# Allegro board RK3588S_Template_LP4XD556P164SD10H2_33X33_2133MHz_H1R6_V10_20220315YWQ.brd (continued)
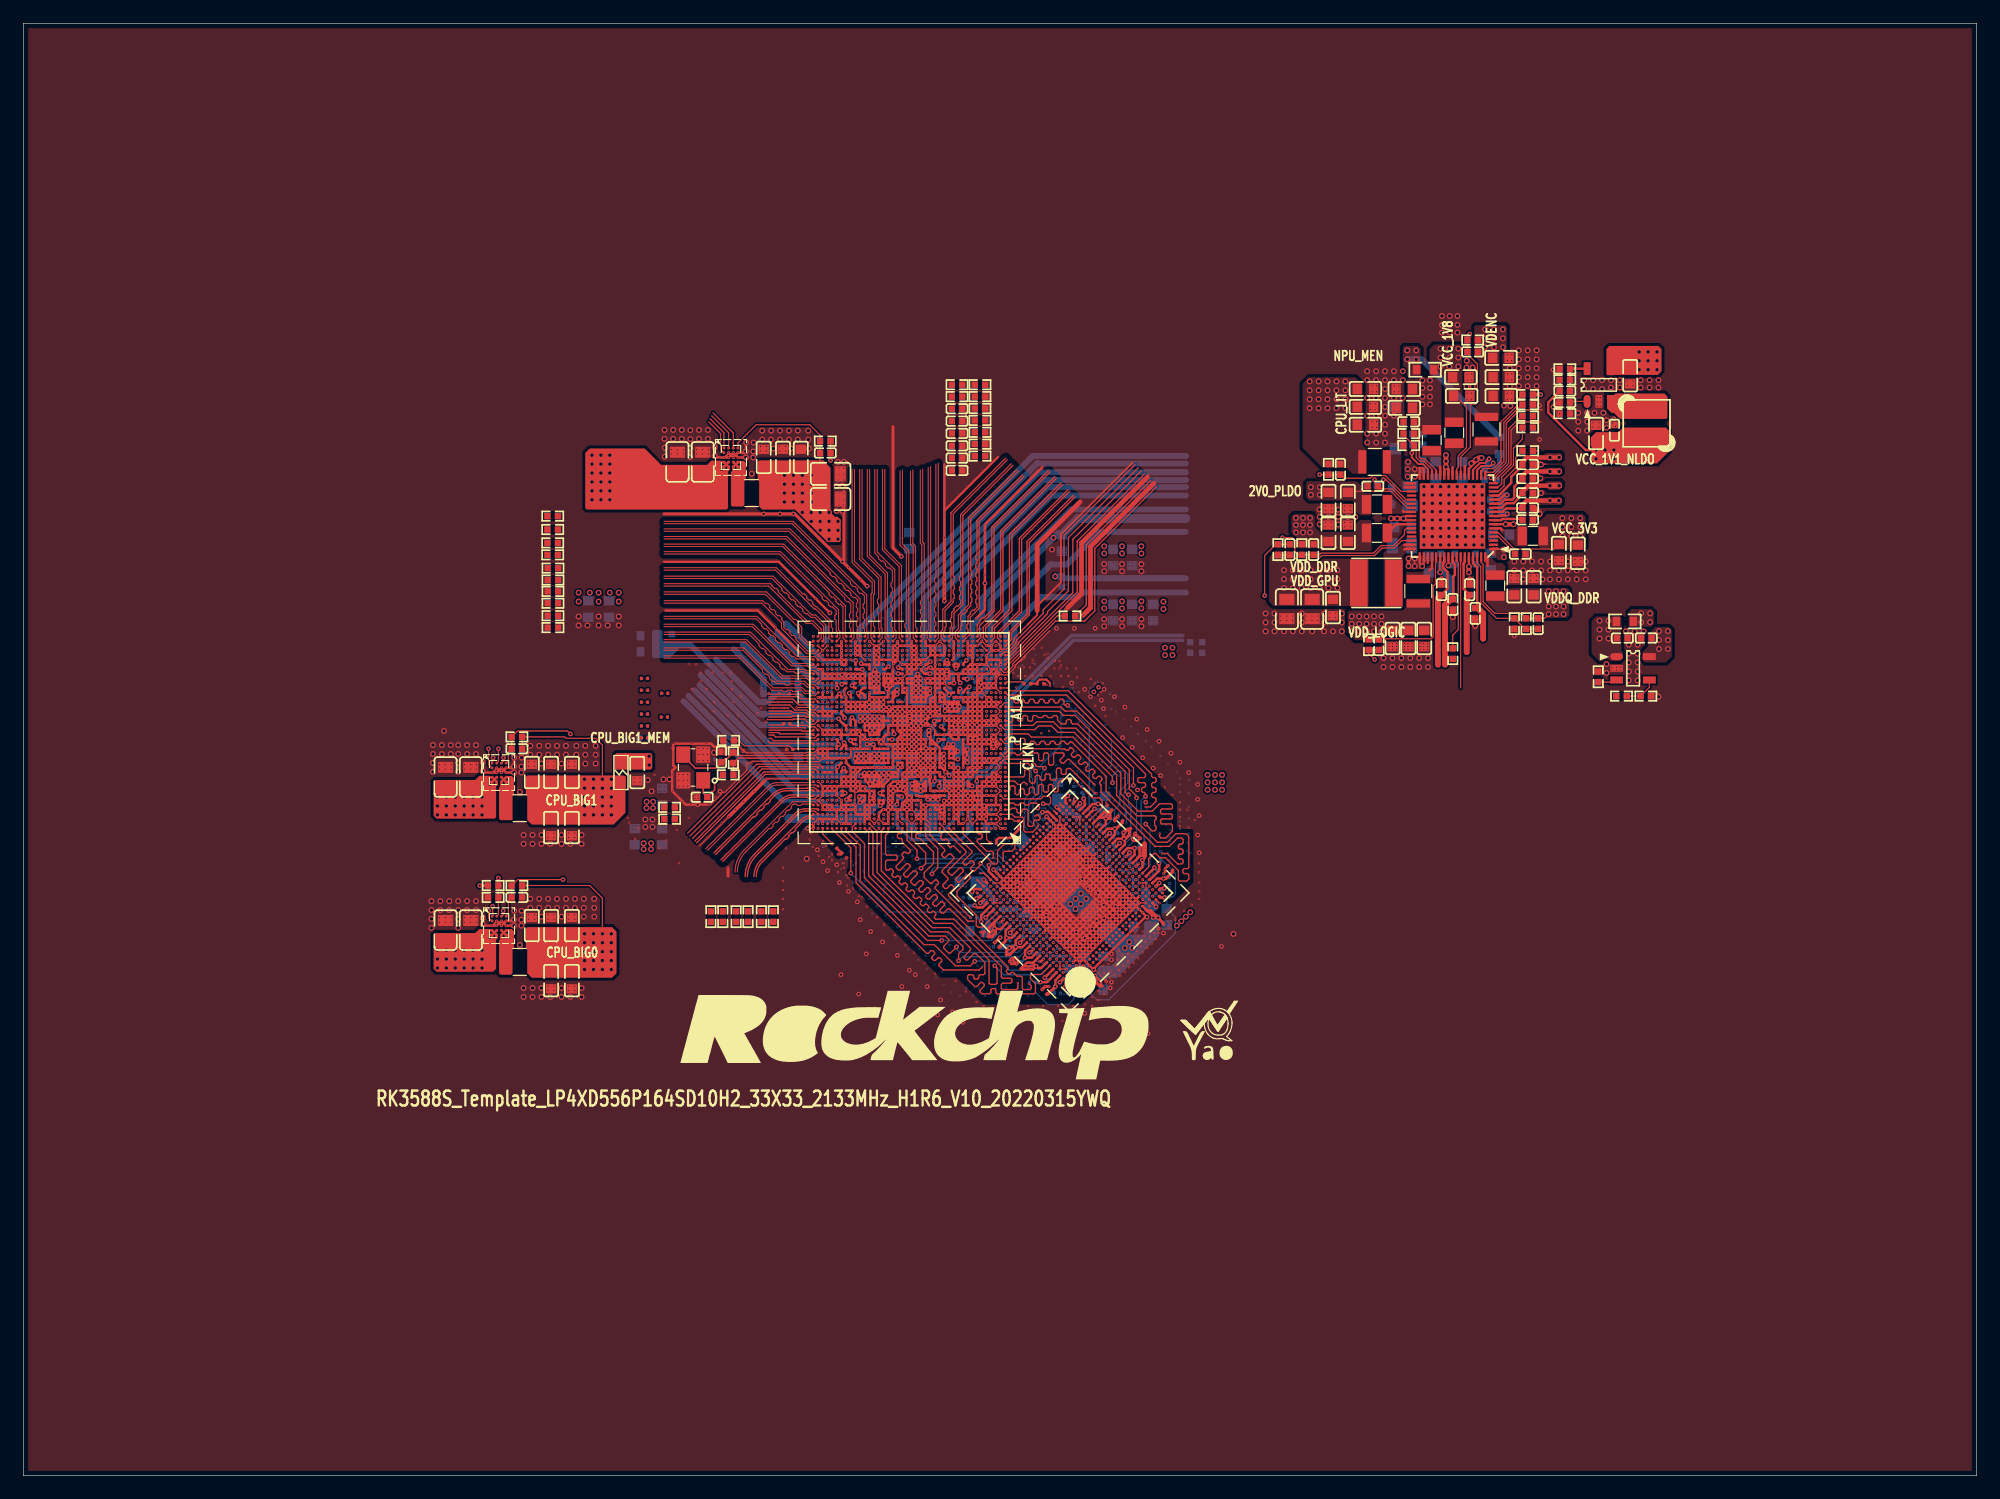
[diagram p0: board, top side]
## Routing (per net, layer and track width the routed paths; a pad name or vN(x,y) marks a point on that pad's centre or on a via; arc(x,y) is an arc through that point) (continued)
DDR_CH0_LP4/4X_CKE1/LP5_CS1_B: length 9
  TOP w0.107: v4(86.67,57.04) 86.67,57.35 86.56,57.46 86.04,57.46 85.88,57.3 85.61,57.3 85.46,57.46 85.19,57.46 85.03,57.3 84.76,57.3 84.6,57.46 84.33,57.46 84.18,57.3 U1000.F1
  BOTTOM w0.107: v4(86.67,57.04) 87.28,57.04 87.96,56.35 87.96,56.2 87.55,55.79 87.55,55.1 87.66,54.99 87.81,54.99 87.92,55.1 87.92,55.66 88.16,55.9 88.42,55.9 88.58,55.73 88.58,55.56 88.37,55.35 R3703.1
DDR_CH0_LP4/4X_CS0_A: length 34.6
  TOP w0.107: U3700.A23 96.14,51.99 96.14,52.7 96.59,53.15 96.74,53.15 97.1,52.79 97.58,52.79 98.68,51.69 98.68,50.91 98.79,50.8 99.4,50.8 99.57,50.97 99.57,51.33 99.46,51.44 99.17,51.44 99.06,51.55 99.06,51.76 99.17,51.87 99.46,51.87 99.57,51.97 99.57,54.61 99.33,54.84 98.46,54.84 97.74,54.12 96.88,54.12 92.5,58.49 92.5,59.75 89.58,62.68 89.43,62.68 89.26,62.51 89.13,62.51 89.03,62.61 89.03,62.63 88.92,62.74 88.68,62.74 88.57,62.63 88.57,62.57 88.46,62.46 88.25,62.46 88.14,62.57 88.14,62.63 88.04,62.74 87.82,62.74 87.72,62.63 87.72,62.57 87.61,62.46 87.4,62.46 87.29,62.57 87.29,62.63 87.18,62.74 86.97,62.74 86.86,62.63 86.86,62.57 86.76,62.46 86.54,62.46 86.44,62.57 86.44,62.63 86.33,62.74 86.12,62.74 86.01,62.63 86.01,62.57 85.9,62.46 85.69,62.46 85.58,62.57 85.58,62.89 85.48,62.99 85.26,62.99 85.16,62.89 85.16,62.57 85.05,62.46 84.84,62.46 84.73,62.57 84.73,62.89 84.62,62.99 84.41,62.99 84.3,62.89 84.3,62.65 84.2,62.54 83.85,62.54 U1000.Y2
DDR_CH0_LP4/4X_CS0_B: length 17
  TOP w0.107: U1000.J1 84.19,58.5 84.3,58.61 84.3,58.82 84.4,58.93 84.62,58.93 84.72,58.82 84.72,58.29 84.83,58.18 84.98,58.18 85.09,58.29 85.09,58.57 85.2,58.67 85.41,58.67 85.52,58.57 85.52,58.29 85.62,58.18 85.84,58.18 85.94,58.29 85.94,58.69 86.05,58.8 86.26,58.8 86.37,58.69 86.37,58.29 86.48,58.18 86.63,58.18 86.74,58.29 86.74,58.95 86.85,59.05 87.04,59.05 87.14,58.95 87.14,58.51 87.25,58.4 87.46,58.4 87.57,58.51 87.57,58.95 87.68,59.05 87.87,59.05 87.98,58.95 87.98,58.53 88.09,58.42 88.3,58.42 88.41,58.53 88.41,59.15 88.81,59.55 89.67,59.55 91.31,57.91 91.95,57.91 92.17,57.69 92.17,57.06 91.11,56.01 U3700.A7
DDR_CH0_LP4/4X_CS1_A: length 32.3
  TOP w0.107: v1(97.08,54.86) 97.08,54.59 97.19,54.48 97.59,54.48 98.17,55.06 98.17,55.57 98.06,55.68 97.26,55.68 97.16,55.78 97.16,56 97.26,56.1 98.06,56.1 98.17,56.21 98.17,56.42 98.06,56.53 97.26,56.53 97.16,56.64 97.16,56.85 97.26,56.96 98.06,56.96 98.17,57.06 98.17,57.3 98.06,57.4 97.07,57.4 96.44,56.77 95.25,56.77 93.76,58.25 93.76,60.02 89.92,63.86 88.54,63.86 87.99,64.41 86.58,64.41 86.27,64.1 U1000.AC1
  L3-S1 w0.064: v1(95.35,51.2) 95.72,51.2 96.13,51.61 96.77,51.61 97.34,52.18 97.34,52.52 97.06,52.8 97.06,53.49 97.13,53.55 97.19,53.55 97.26,53.62 97.26,53.75 97.19,53.82 97.13,53.82 97.06,53.88 97.06,54.02 97.13,54.08 97.19,54.08 97.26,54.15 97.26,54.28 97.19,54.35 97.13,54.35 97.06,54.41 97.06,54.54 97.13,54.6 97.22,54.6 97.28,54.67 97.28,54.8 97.22,54.86 v1(97.08,54.86)
DDR_CH0_LP4/4X_CS1_B: length 17.1
  TOP w0.107: v1(91.69,58.29) 91.69,58.29 91.57,58.29 89.44,60.42 89.2,60.42 89.09,60.31 89.09,60.02 88.99,59.91 88.77,59.91 88.67,60.02 88.67,60.35 88.56,60.45 88.37,60.45 88.26,60.35 88.26,59.52 88.16,59.42 87.83,59.42 87.72,59.52 87.72,59.84 87.61,59.94 87.4,59.94 87.29,59.84 87.29,59.52 87.19,59.42 86.97,59.42 86.87,59.52 86.87,59.71 86.76,59.82 86.55,59.82 86.44,59.71 86.44,59.27 86.33,59.17 86.12,59.17 85.96,59.33 85.96,60.22 85.86,60.33 85.64,60.33 85.54,60.22 85.54,59.81 85.43,59.7 U1000.M1
  L3-S1 w0.064: v1(91.69,58.29) 91.88,58.29 91.95,58.23 91.95,57.85 91.88,57.78 91.69,57.78 91.61,57.87 91.52,57.87 91.45,57.8 91.45,57.39 90.73,56.68 90.73,56.21 90.82,56.12 v1(90.82,55.75)
DDR_CH1_A0_C: length 15.6
  TOP w0.107: U1000.B18 77.45,55.34 77.45,54.76 78.71,53.5 78.71,53.35 78.48,53.12 78.48,52.97 78.63,52.82 78.78,52.82 79.07,53.11 79.22,53.11 79.49,52.85 79.49,52.69 78.5,51.7 78.5,51.55 78.98,51.06 78.98,50.91 78.56,50.49 78.56,50.34 78.74,50.16 78.9,50.16 79.19,50.45 79.34,50.45 79.49,50.3 79.49,50.15 79.04,49.7 79.04,49.55 v1(80.9,47.69)
  L3-S1 w0.064: v1(80.9,47.69) 81.48,47.69 82.51,48.72 83.11,48.72 v1(83.19,48.65)
DDR_CH1_A0_D: length 32.9
  TOP w0.107: U1000.A26 73.89,54.94 73.66,54.71 73.66,53.12 73.77,53.02 74.56,53.02 74.67,52.91 74.67,52.7 74.56,52.59 73.77,52.59 73.66,52.48 73.66,51.83 73.77,51.72 73.92,51.72 74.03,51.83 74.18,51.83 74.33,51.68 74.33,51.53 74.22,51.42 74.22,51.27 74.37,51.12 74.52,51.12 74.63,51.23 74.78,51.23 74.93,51.08 74.93,50.92 74.82,50.82 74.82,50.66 74.97,50.51 75.12,50.51 75.23,50.62 75.38,50.62 75.53,50.47 75.53,50.32 75.43,50.21 75.43,50.06 75.58,49.91 75.73,49.91 75.84,50.02 75.99,50.02 76.14,49.87 76.14,49.72 76.03,49.61 76.03,49.46 76.18,49.31 76.33,49.31 76.44,49.42 76.59,49.42 76.74,49.26 76.74,49.11 76.63,49 76.63,48.85 76.78,48.7 76.93,48.7 77.04,48.81 77.19,48.81 77.35,48.66 77.35,48.51 77.24,48.4 77.24,48.25 77.39,48.1 77.54,48.1 77.65,48.21 77.8,48.21 77.95,48.06 77.95,47.91 77.84,47.8 77.84,47.65 77.94,47.54 79.51,47.54 83.55,43.51 83.55,42.6 83.66,42.5 84.35,42.5 84.45,42.39 84.45,42.18 84.35,42.07 83.66,42.07 83.55,41.96 83.55,41.64 83.66,41.53 84.86,41.53 84.96,41.64 v1(84.96,42.09)
  L3-S1 w0.066: v1(84.96,42.09) 84.84,42.09 84.77,42.03 84.77,41.91 84.84,41.85 85.15,41.85 85.34,42.04 85.52,42.04 85.7,41.86 86,41.56 87.06,41.56 87.5,42.01 87.5,42.09 87.8,42.38 87.8,42.84 88.28,43.32 v1(88.28,43.56)
DDR_CH1_A1_C: length 14.8
  TOP w0.107: U1000.A21 75.89,54.4 77.09,53.21 77.09,52.29 v4(76.69,51.89)
  L3-S1 w0.064: v1(83.75,49.22) 83.75,49.5 83.96,49.71 83.96,50.03 83.93,50.06 v2(83.93,50.8)
  L8-S3 w0.064: v3(83.8,51.69) 83.93,51.56 v2(83.93,50.8)
  BOTTOM w0.107: v3(83.8,51.69) 83.8,52.03 83.08,52.75 81.45,52.75 81.03,52.32 77.12,52.32 v4(76.69,51.89)
DDR_CH1_A1_D: length 30
  TOP w0.107: v4(82.99,43.56) 82.99,43.55 83.18,43.36 83.18,42.08 83.08,41.97 82.62,41.97 82.51,42.08 82.51,44.04 79.36,47.18 77.79,47.18 73.3,51.68 73.3,55.11 U1000.A27
  L3-S1 w0.064: v1(88.87,44.13) 89.13,44.13 89.33,44.33 89.54,44.33 89.84,44.63 v2(90.04,44.63)
  L8-S3 w0.066: v2(90.04,44.63) 89.84,44.43 v3(89.84,44.35)
  BOTTOM w0.107: v3(89.84,44.35) 89.84,44.25 89.53,43.93 88.72,43.93 88.03,43.93 86.9,42.8 83.76,42.8 v4(82.99,43.56)
DDR_CH1_A2_C: length 16.4
  TOP w0.107: U1000.B22 75.49,54.29 76.35,53.44 v4(76.35,52.71)
  L3-S1 w0.064: v2(85.28,51.38) 85.4,51.38 85.78,51.01 85.78,50.12 v1(84.6,48.94)
  L8-S3 w0.064: v3(85,51.49) 85.11,51.38 v2(85.28,51.38)
  BOTTOM w0.107: v3(85,51.49) 84.85,51.49 83.23,53.11 81.3,53.11 80.9,52.71 v4(76.35,52.71)
DDR_CH1_A2_D: length 31.3
  TOP w0.107: U1000.A30 72.58,55.01 72.58,51.38 77.49,46.46 79,46.46 80.26,45.2 80.26,44.96 79.9,44.6 v4(79.9,44)
  L3-S1 w0.064: v2(91.04,46.3) 90.5,46.3 90.3,46.1 89.45,46.1 88.56,45.21 v1(88.56,44.98)
  L8-S3 w0.064: v3(90.28,46.1) 90.48,46.3 v2(91.04,46.3)
  BOTTOM w0.107: v4(79.9,44) 80.23,44.32 85.09,44.32 85.87,45.11 86.37,45.11 86.87,45.61 86.87,45.72 87.1,45.95 88.01,45.95 88.45,45.51 89.69,45.51 v3(90.28,46.1)
DDR_CH1_A3_C: length 11.1
  TOP w0.107: U1000.A7 81.49,54.94 81.6,54.83 81.81,54.83 81.91,54.73 81.91,54.51 81.81,54.41 81.6,54.41 81.49,54.3 81.49,54.15 82.31,53.34 82.77,53.34 82.87,53.23 v1(82.87,52.77)
  L3-S1 w0.066: v1(84.06,47.8) 84.04,47.8 v2(83.81,47.57) ; v2(83.12,52.53) 83.12,52.53 v1(82.87,52.77)
  L8-S3 w0.064: v2(83.81,47.57) 83.8,47.57 83.8,49.67 83.57,49.91 83.57,50.53 83.5,50.59 83.25,50.59 83.18,50.66 83.18,50.79 83.25,50.86 83.5,50.86 83.57,50.92 83.57,51.06 83.5,51.12 83.25,51.12 83.18,51.19 83.18,51.32 83.25,51.39 83.5,51.39 83.57,51.45 83.57,51.57 83.11,52.03 83.11,52.52 v2(83.12,52.53)
DDR_CH1_A3_D: length 30.7
  TOP w0.107: v1(81.89,43.43) 81.66,43.2 78.59,43.2 78.23,43.57 78.23,43.72 78.46,43.95 78.46,44.1 78.31,44.25 78.15,44.25 77.92,44.02 77.77,44.02 77.62,44.17 77.62,44.32 77.85,44.55 77.85,44.7 77.7,44.85 77.55,44.85 77.32,44.62 77.17,44.62 71.14,50.66 71.14,53.7 69.89,54.94 U1000.A36
  L3-S1 w0.064: v1(81.89,43.43) 82.1,43.64 82.1,43.81 82.1,44.33 82.17,44.39 82.38,44.39 82.44,44.33 82.44,43.96 82.51,43.9 82.64,43.9 82.71,43.96 82.71,44.13 82.77,44.2 82.91,44.2 82.97,44.13 82.97,43.96 83.04,43.9 83.17,43.9 83.24,43.96 83.24,44.13 83.3,44.2 83.48,44.2 83.55,44.13 83.55,43.75 83.62,43.69 83.75,43.69 83.81,43.75 83.81,44.13 83.88,44.2 84.64,44.2 84.71,44.13 84.71,43.94 84.5,43.73 84.5,43.39 84.66,43.23 85.8,43.23 86.73,44.15 87.04,44.15 87.33,44.44 v1(87.43,44.44)
DDR_CH1_A4_C: length 15.6
  TOP w0.107: U1000.A10 80.29,54.84 82.88,52.25 83.13,52.25 83.23,52.36 83.23,53.39 83.82,53.98 84.6,53.98 84.71,53.87 84.71,53.59 84.45,53.34 83.82,53.34 83.71,53.22 v1(83.71,52.54)
  L3-S1 w0.064: v1(84.6,48.37) 84.62,48.39 84.62,48.67 86,50.05 86,51.14 85.42,51.72 84.98,51.72 84.34,52.36 84.12,52.36 83.94,52.54 v1(83.71,52.54)
DDR_CH1_A4_D: length 30.6
  TOP w0.107: U1000.B33 70.81,55.42 70.81,55.04 71.86,54 71.86,51.08 77.21,45.73 v4(78.46,45.73)
  L3-S1 w0.064: v2(89.89,47.62) 89.89,47.16 87.99,45.26 v1(87.99,44.98)
  L8-S3 w0.064: v3(89.15,46.36) 89.66,46.86 89.66,47.24 89.89,47.48 v2(89.89,47.62)
  BOTTOM w0.107: v3(89.15,46.36) 88.65,46.36 87.93,47.07 85.04,47.07 84.71,46.73 83.69,46.73 82.68,45.73 v4(78.46,45.73)
DDR_CH1_A5_C: length 15.2
  TOP w0.107: U1000.A15 78.29,54.99 78.45,54.83 78.45,54.68 78.38,54.61 78.38,54.46 78.53,54.31 78.68,54.31 78.75,54.38 78.9,54.38 79.05,54.22 79.05,54.07 78.99,54.01 78.99,53.86 79.14,53.7 79.29,53.7 79.36,53.77 79.51,53.77 v1(80.03,53.25)
  L3-S1 w0.064: v1(80.03,53.25) 80.09,53.19 81.09,53.19 81.15,53.26 81.15,53.47 81.26,53.57 82.52,53.57 82.68,53.41 82.68,53.15 82.74,53.09 83,53.09 83.26,52.83 84.08,52.83 84.15,52.76 84.15,52.64 84.21,52.58 84.34,52.58 84.41,52.64 84.41,52.76 84.48,52.83 84.62,52.83 84.7,52.74 84.7,52.65 84.64,52.59 84.64,52.49 84.73,52.4 84.83,52.4 84.89,52.46 84.98,52.46 85.08,52.37 85.08,52.28 85.01,52.21 85.01,52.12 85.11,52.03 85.2,52.03 85.26,52.09 85.36,52.09 86.22,51.23 86.22,49.98 86.15,49.91 86.14,49.91 v1(84.88,48.65)
DDR_CH1_A5_D: length 28.4
  TOP w0.107: v4(70.69,51.47) 70.69,53.64 69.09,55.23 U1000.A38
  L3-S1 w0.064: v1(88.28,45.26) 88.3,45.26 89.93,46.89 v2(90.17,46.89)
  L8-S3 w0.066: v2(90.17,46.89) v3(89.93,47.13)
  BOTTOM w0.107: v4(70.69,51.47) 74.02,48.14 82.92,48.14 83.31,47.75 84.04,47.75 84.35,47.43 88.08,47.43 88.38,47.13 v3(89.93,47.13)
DDR_CH1_CLKN_C: length 17.2
  L3-S1 w0.066: v1(84.03,48.37) 84.03,48.09 83.83,47.88 83.34,47.88 82.13,46.67 80.94,46.67 79.99,47.62 79.99,47.86 80.07,47.95 80.07,48.14 79.97,48.24 79.78,48.24 79.7,48.16 79.46,48.16 79.16,48.45 79.16,48.69 79.25,48.78 79.25,48.87 79.05,49.07 78.96,49.07 78.87,48.98 78.63,48.98 78.31,49.3 78.31,49.6 78.05,49.87 77.75,49.87 75.77,51.84 75.77,52.27 75.66,52.38 75.66,56.26 75.89,56.49 v1(75.89,56.5)
DDR_CH1_CLKN_D: length 35.6
  L3-S1 w0.066: v1(75.09,56.5) 75.31,56.29 75.31,54.85 75.11,54.65 75.11,54.43 75.33,54.21 75.33,53.93 75.11,53.7 75.11,53.55 75.31,53.34 75.31,52.73 75.06,52.48 75.06,51.8 75.48,51.38 75.48,50.6 75.76,50.32 75.76,49.93 76.43,49.26 76.43,48.98 76.19,48.75 76.19,48.65 76.43,48.41 76.53,48.41 76.68,48.56 76.95,48.56 78.08,47.43 78.08,47.18 77.75,46.84 77.5,46.84 76.88,47.47 76.62,47.47 76.49,47.33 76.49,47.18 77.57,46.09 77.7,46.09 78.42,46.82 78.69,46.82 79.5,46.01 79.96,46.01 80.48,45.49 81.62,45.49 81.79,45.32 81.79,44.62 81.62,44.45 80.85,44.45 80.78,44.38 80.78,43.73 81.07,43.44 81.24,43.44 81.65,43.03 82.26,43.03 82.43,42.86 82.43,41.9 82.5,41.83 82.84,41.83 82.91,41.9 82.91,42.86 83.08,43.03 83.56,43.03 83.73,42.86 83.73,41.9 83.8,41.83 84.15,41.83 84.21,41.9 84.21,42.67 84.38,42.84 86.6,42.84 87.2,43.44 87.2,43.9 87.71,44.41 v1(87.99,44.41)
DDR_CH1_CLKP_C: length 16.3
  L3-S1 w0.066: v1(75.89,56.1) 75.84,56.04 75.84,54.94 75.94,54.84 75.94,54.64 75.84,54.53 75.84,54.33 75.94,54.22 75.94,54.02 75.84,53.92 75.84,52.45 75.95,52.34 75.95,51.91 76.55,51.31 76.69,51.31 76.84,51.17 76.84,51.02 76.98,50.88 77.13,50.88 77.27,50.73 77.27,50.58 77.42,50.44 77.56,50.44 77.71,50.3 77.71,50.15 77.82,50.04 78.12,50.04 78.49,49.67 78.49,49.37 78.7,49.15 78.8,49.15 78.88,49.24 79.12,49.24 79.42,48.94 79.42,48.7 79.33,48.62 79.33,48.52 79.53,48.33 79.63,48.33 79.71,48.41 80.04,48.41 80.25,48.21 80.25,47.88 80.16,47.79 80.16,47.7 81.01,46.84 82.06,46.84 82.83,47.62 82.83,47.77 82.98,47.91 83.12,47.91 83.27,48.05 83.72,48.05 v1(83.75,48.09)
DDR_CH1_CLKP_D: length 35.5
  L3-S1 w0.066: v1(87.71,44.13) 87.67,44.13 87.38,43.83 87.38,43.37 86.67,42.67 86.41,42.67 86.3,42.56 86.1,42.56 86,42.67 85.79,42.67 85.69,42.56 85.48,42.56 85.38,42.67 85.18,42.67 85.07,42.56 84.87,42.56 84.77,42.67 84.46,42.67 84.39,42.6 84.39,41.83 84.22,41.66 83.73,41.66 83.56,41.83 83.56,42.79 83.49,42.86 83.15,42.86 83.08,42.79 83.08,41.83 82.91,41.66 82.43,41.66 82.26,41.83 82.26,42.79 82.19,42.86 81.58,42.86 81.17,43.27 81,43.27 80.6,43.66 80.6,44.45 80.77,44.62 81.55,44.62 81.61,44.69 81.61,45.25 81.55,45.32 81.02,45.32 80.92,45.22 80.71,45.22 80.61,45.32 80.41,45.32 79.89,45.84 79.43,45.84 78.62,46.65 78.49,46.65 77.77,45.92 77.5,45.92 76.31,47.11 76.31,47.4 76.55,47.64 76.95,47.64 77.57,47.02 77.68,47.02 77.91,47.25 77.91,47.36 76.88,48.39 76.76,48.39 76.6,48.24 76.36,48.24 76.02,48.58 76.02,48.82 76.25,49.06 76.25,49.19 75.59,49.86 75.59,50.25 75.31,50.53 75.31,51.31 74.89,51.73 74.89,52.55 75.14,52.8 75.14,53.27 74.93,53.48 74.93,53.77 75.16,54 75.16,54.14 74.93,54.36 74.93,54.72 75.13,54.92 75.13,55.17 75.06,55.24 75.06,55.5 75.13,55.58 75.13,56.06 v1(75.09,56.1)
DDR_CH1_DM0_C: length 11.5
  L3-S1 w0.076: v2(77.11,56.69) 77.32,56.9 v1(77.49,56.9)
  L3-S1 w0.079: v1(83.19,50.35) 83.15,50.39 83.15,50.82 82.8,51.16 82.51,51.16 v2(82.4,51.28)
  L8-S3 w0.076: v2(82.4,51.28) 82.4,51.59 82.13,51.85 82.13,55.15 81.6,55.69 80.86,55.69 80.13,56.43 77.38,56.43 v2(77.11,56.69)
DDR_CH1_DM0_D: length 38.4
  L3-S1 w0.076: v1(73.49,56.5) 72.69,55.7 72.69,55.04 72.8,54.93 72.8,49.32 72.5,49.02 72.09,49.02 72.01,48.94 72.01,48.04 72.13,47.93 72.24,47.93 72.3,47.99 72.41,47.99 72.52,47.88 72.52,47.76 72.46,47.7 72.46,47.59 80.6,39.45 89.59,39.45 92.2,42.06 92.2,43.31 91.6,43.91 90.52,43.91 90.17,43.56 v1(89.97,43.56)
DDR_CH1_DM1_C: length 17.4
  L3-S1 w0.076: v1(79.09,56.5) 79.88,55.71 79.88,54.89 80.33,54.45 82.13,54.45 82.25,54.56 82.6,54.56 82.68,54.48 82.96,54.48 83.59,53.85 85.04,53.85 87.84,51.05 87.84,50.68 88.27,50.25 88.27,50.13 88.35,50.05 88.62,50.05 88.7,49.97 88.7,49.81 88.62,49.74 88.35,49.74 88.27,49.66 88.27,49.36 88.19,49.28 87.78,49.28 87.19,48.69 87.08,48.69 86.99,48.77 86.78,48.77 85.81,47.8 v1(85.73,47.8)
DDR_CH1_DM1_D: length 31.6
  L3-S1 w0.066: v1(87.43,46.11) 87.51,46.19 87.51,46.47 87.77,46.73 88.15,46.73
  L3-S1 w0.076: v1(71.09,56.1) 70.76,55.77 70.76,55.27 70.56,55.06 70.56,52.26 v2(70.47,52.17)
  L3-S1 w0.079: v2(88.52,46.73) 88.15,46.73
  L8-S3 w0.066: 88.52,45.97 88.39,45.85 88.39,45.28 87.98,44.87 87.98,44.19 86.84,43.05
  L8-S3 w0.076: v2(70.47,52.17) 70.48,52.17 71.16,51.49 71.16,50.62 71.37,50.41 71.49,50.41 71.61,50.29 72.15,50.29 72.71,49.74 72.71,49.53 80.05,42.19 85.57,42.19 86.3,42.93 86.72,42.93 86.84,43.05 ; 88.52,45.97 v2(88.52,46.73)
DDR_CH1_DQ0_C: length 11.2
  TOP w0.127: v1(81.49,50.92) U3700.AG1
  L3-S1 w0.076: v1(81.49,50.92) 81.4,51.01 81.1,51.01 81.02,50.93 81.02,50.4 80.94,50.32 80.72,50.32 80.64,50.24 80.64,49.93 80.49,49.77 80.38,49.77 80.02,50.13 80.02,51.03 79.94,51.11 79.7,51.11 79.26,51.55 78.36,51.55 76.55,53.36 76.55,55.44 v1(76.29,55.7)
DDR_CH1_DQ0_D: length 33.8
  TOP w0.119: v1(90.25,42.15) 90.25,42.15 U3700.AG29
  L3-S1 w0.076: v2(88.26,40.89) 88.1,40.73 81.95,40.73 79.31,43.37 79.31,44.03 78.7,44.64 78.7,45.01 78.2,45.5 77.17,45.5 75.81,46.87 75.81,48.02 75.56,48.26 75.56,49.17 75.14,49.6 75.14,50.06 74.6,50.6 74.6,55.21 v1(74.69,55.3)
  L3-S1 w0.079: v1(90.25,42.15) 90.44,41.96 v2(90.44,41.87)
  L8-S3 w0.076: v2(88.26,40.89) 89.92,40.89 90.3,41.27 91.06,41.27 91.95,42.16 91.95,43.31 91.69,43.56 91.14,43.56 91.06,43.48 91.06,42.29 90.62,41.85 90.46,41.85 v2(90.44,41.87)
DDR_CH1_DQ1_C: length 13.4
  TOP w0.127: U3700.AE1 82.07,51.47 v1(81.78,51.47)
  L3-S1 w0.076: v1(76.29,56.9) 76.53,56.66 76.53,55.99 76.8,55.71 76.8,53.46 78.47,51.8 79.65,51.8 79.73,51.72 79.73,51.44 79.81,51.36 79.97,51.36 80.05,51.44 80.05,51.72 80.13,51.8 80.28,51.8 80.36,51.72 80.36,50.71 80.44,50.63 80.6,50.63 80.68,50.71 80.68,51.72 80.76,51.8 81.44,51.8 v1(81.78,51.47)
DDR_CH1_DQ1_D: length 38.5
  L3-S1 w0.076: v1(90.54,43) 90.92,42.62 90.92,41.86 90.13,41.08 90.02,41.08 89.86,41.24 89.75,41.24 89.64,41.13 89.64,41.02 89.74,40.92 89.74,40.81 89.63,40.7 89.51,40.7 89.42,40.79 89.31,40.79 89.2,40.68 89.2,40.57 89.29,40.47 89.29,40.36 89.15,40.22 81.21,40.22 78.32,43.11 78.32,43.22 78.43,43.32 78.43,43.43 78.32,43.54 78.2,43.54 78.1,43.44 77.99,43.44 77.88,43.55 77.88,43.66 77.98,43.77 77.98,43.88 77.87,43.99 77.76,43.99 77.66,43.89 77.54,43.89 77.43,44 77.43,44.11 77.54,44.21 77.54,44.32 77.42,44.43 77.31,44.43 77.21,44.33 77.1,44.33 76.99,44.44 76.99,44.55 77.09,44.66 77.09,44.77 76.98,44.88 76.87,44.88 76.76,44.78 76.65,44.78 76.54,44.89 76.54,45 76.64,45.1 76.64,45.21 76.53,45.32 76.42,45.32 76.32,45.22 76.21,45.22 76.1,45.33 76.1,45.44 76.2,45.55 76.2,45.66 76.09,45.77 75.98,45.77 75.87,45.67 75.76,45.67 75.65,45.78 75.65,45.89 75.75,45.99 75.75,46.1 75.64,46.22 75.53,46.22 75.43,46.11 75.32,46.11 75.21,46.22 75.21,46.34 75.31,46.44 75.31,46.55 75.2,46.66 75.09,46.66 74.98,46.56 74.87,46.56 74.76,46.67 74.76,46.78 74.86,46.88 74.86,47 74.75,47.11 74.64,47.11 74.54,47 74.43,47 74.31,47.12 74.31,47.23 74.62,47.54 74.62,47.68 74.55,47.76 74.4,47.76 74.09,47.45 73.98,47.45 73.91,47.52 73.91,47.64 74.04,47.77 74.04,47.88 73.93,47.99 73.82,47.99 73.68,47.86 73.57,47.86 73.36,48.07 73.36,48.18 73.44,48.26 74.54,48.26 74.62,48.34 74.62,49.85 74.08,50.39 74.08,55.89 v1(74.29,56.1)
DDR_CH1_DQ2_C: length 11.1
  L3-S1 w0.076: v1(82.05,49.78) 81.45,49.78 81.1,49.44 81.1,49.03 81.03,48.95 80.84,48.95 80.71,49.08 80.71,49.19 80.85,49.34 80.85,49.45 80.74,49.56 80.63,49.56 80.48,49.41 80.37,49.41 79.76,50.03 79.76,50.67 79.14,51.29 78.25,51.29 76.29,53.25 v1(76.29,55.3)
DDR_CH1_DQ2_D: length 37.3
  L3-S1 w0.076: v1(89.41,42.43) 89.61,42.23 89.61,42.11 89.41,41.91 89.41,41.32 88.9,40.82 88.9,40.55 88.82,40.47 81.62,40.47 81.54,40.55 81.54,40.77 81.45,40.87 81.34,40.87 81.19,40.72 81.08,40.72 80.97,40.83 80.97,40.94 81.11,41.09 81.11,41.2 81,41.31 80.89,41.31 80.74,41.16 80.63,41.16 80.52,41.27 80.52,41.38 80.67,41.53 80.67,41.65 80.56,41.76 80.45,41.76 80.3,41.61 80.19,41.61 80.07,41.72 80.07,41.83 80.22,41.98 80.22,42.09 80.11,42.2 80,42.2 79.85,42.05 79.74,42.05 79.63,42.16 79.63,42.28 79.78,42.42 79.78,42.54 79.67,42.65 79.56,42.65 79.41,42.5 79.29,42.5 79.18,42.61 79.18,42.72 79.33,42.87 79.33,42.98 79.23,43.09 79.11,43.09 78.97,42.94 78.85,42.94 78.74,43.05 78.74,43.16 79.05,43.47 79.05,43.89 78.9,44.04 78.79,44.04 78.58,43.83 78.47,43.83 78.36,43.94 78.36,44.05 78.57,44.26 78.57,44.37 78.48,44.46 78.37,44.46 78.17,44.26 78.06,44.26 77.95,44.37 77.95,44.48 78.35,44.88 78.35,44.99 78.24,45.1 78.13,45.1 77.72,44.7 77.61,44.7 77.5,44.81 77.5,44.92 77.64,45.06 77.64,45.17 77.56,45.25 77.38,45.25 77.28,45.15 77.17,45.15 75.55,46.77 75.55,47.19 75.47,47.26 74.96,47.26 74.88,47.34 74.88,47.5 74.96,47.58 75.47,47.58 75.55,47.66 75.55,47.81 75.47,47.89 74.96,47.89 74.88,47.97 74.88,48.13 74.96,48.21 75.23,48.21 75.31,48.29 75.31,48.44 75.23,48.52 74.96,48.52 74.88,48.6 74.88,48.76 74.96,48.84 75.23,48.84 75.31,48.92 75.31,49.06 75.22,49.15 74.96,49.15 74.88,49.23 74.88,49.96 74.34,50.49 74.34,55.62 74.42,55.7 v1(74.69,55.7)
DDR_CH1_DQ3_C: length 13.1
  L3-S1 w0.076: v1(76.29,57.3) 76.76,56.83 76.76,56.08 77.06,55.78 77.06,53.57 78.57,52.06 81.56,52.06 82.03,51.59 82.03,51.36 81.73,51.06 81.73,50.67 81.69,50.64 81.37,50.64 81.28,50.55 81.28,50.24 81.36,50.16 82.04,50.16 82.23,50.35 v1(82.62,50.35)
DDR_CH1_DQ3_D: length 36.3
  L3-S1 w0.076: v1(73.09,55.3) 73.31,55.08 73.31,49.11 73.05,48.85 73.05,48.02 73.49,47.58 73.49,47.47 73.45,47.43 73.45,47.32 73.57,47.21 73.68,47.21 73.71,47.25 73.82,47.25 73.93,47.13 73.93,47.02 73.9,46.99 73.9,46.88 74.01,46.77 74.12,46.77 74.16,46.8 74.27,46.8 74.38,46.69 74.38,46.58 74.34,46.54 74.34,46.43 74.46,46.32 74.57,46.32 74.6,46.35 74.71,46.35 74.82,46.24 74.82,46.13 74.79,46.1 74.79,45.99 74.9,45.88 75.01,45.88 75.05,45.91 75.16,45.91 75.27,45.8 75.27,45.69 75.24,45.65 75.24,45.54 75.35,45.43 75.46,45.43 75.49,45.46 75.6,45.46 75.71,45.35 75.71,45.24 75.68,45.21 75.68,45.1 75.79,44.98 75.9,44.98 75.94,45.02 76.05,45.02 76.16,44.91 76.16,44.8 76.13,44.76 76.13,44.65 76.24,44.54 76.35,44.54 76.38,44.57 76.49,44.57 76.61,44.46 76.61,44.35 76.57,44.32 76.57,44.2 76.68,44.09 76.79,44.09 76.83,44.13 76.94,44.13 77.05,44.02 77.05,43.9 77.02,43.87 77.02,43.76 77.13,43.65 77.24,43.65 77.27,43.68 77.39,43.68 77.5,43.57 77.5,43.46 77.46,43.43 77.46,43.31 77.57,43.2 77.69,43.2 77.72,43.24 77.83,43.24 77.94,43.13 77.94,43.01 77.91,42.98 77.91,42.87 78.02,42.76 78.13,42.76 78.16,42.79 78.28,42.79 78.39,42.68 78.39,42.57 78.35,42.53 78.35,42.42 78.47,42.31 78.58,42.31 78.61,42.35 78.72,42.35 78.83,42.23 78.83,42.12 78.8,42.09 78.8,41.98 78.91,41.87 79.02,41.87 79.06,41.9 79.17,41.9 79.28,41.79 79.28,41.68 79.24,41.64 79.24,41.53 79.36,41.42 79.47,41.42 79.5,41.45 79.61,41.45 79.72,41.34 79.72,41.23 79.69,41.2 79.69,41.09 79.8,40.98 79.91,40.98 79.95,41.01 80.06,41.01 80.17,40.9 80.17,40.79 80.14,40.75 80.14,40.64 80.25,40.53 80.36,40.53 80.39,40.56 80.5,40.56 80.62,40.45 80.62,40.34 80.58,40.31 80.58,40.2 80.69,40.08 80.8,40.08 80.84,40.12 80.95,40.12 81.11,39.96 89.38,39.96 91.17,41.76 91.17,42.94 90.73,43.38 90.5,43.38 90.11,43 v1(89.97,43)
DDR_CH1_DQ4_C: length 11.3
  L3-S1 w0.076: v2(77.6,55.03) 77.49,55.13 v1(77.49,56.1) ; v2(78.98,50.93) 79.5,50.4 79.5,49.91 81.21,48.2 81.49,48.2 82.51,49.22 v1(82.62,49.22)
  L8-S3 w0.076: v2(78.98,50.93) 78.96,50.93 78.04,51.84 78.04,53.72 78.1,53.79 78.1,54.52 v2(77.6,55.03)
DDR_CH1_DQ4_D: length 35.1
  L3-S1 w0.076: v1(88.84,43) 88.84,42.75 88.64,42.55 88.46,42.55 87.86,41.94 87.86,41.64 87.2,40.99 82.08,40.99 81.45,41.61 81.45,41.72 81.58,41.86 81.58,41.97 81.47,42.08 81.36,42.08 81.22,41.93 81.11,41.93 80.14,42.9 80.14,43.09 80.05,43.18 79.86,43.18 79.56,43.48 79.56,44.14 78.95,44.75 v2(78.95,45.32) ; v2(73.91,50.07) 73.83,50.16 73.83,56.18 73.91,56.26 74.05,56.26 v1(74.29,56.5)
  L8-S3 w0.076: v2(73.91,50.07) 74.04,50.07 74.22,49.89 74.22,49.73 74.37,49.58 74.53,49.58 76.2,47.91 76.2,47.49 76.28,47.41 76.53,47.41 76.64,47.3 76.64,47.05 76.75,46.95 76.9,46.95 76.97,47.03 76.97,47.21 77.05,47.29 77.21,47.29 77.29,47.21 77.29,47.06 77.37,46.98 78.73,46.98 78.81,46.91 78.81,46.69 78.73,46.61 78.18,46.61 78.1,46.52 78.1,46.41 78.24,46.27 78.24,46.11 78.16,46.03 78.06,46.03 77.98,45.96 77.98,45.72 79.31,44.38 79.42,44.38 79.89,44.85 80,44.85 80.11,44.96 80.11,45.26 79.56,45.82 79.45,45.82 79.36,45.73 79.36,45.48 79.24,45.36 78.99,45.36 v2(78.95,45.32)
DDR_CH1_DQ5_C: length 12.1
  L3-S1 w0.076: v1(83.19,49.78) 83.36,49.78 83.44,49.86 83.44,50.5 83.33,50.61 83.33,50.91 83.24,51 83.24,51.24 83.3,51.29 83.61,51.29 83.69,51.37 83.69,51.52 83.61,51.6 83.23,51.6 83.04,51.42 82.74,51.42 82.47,51.69 82.3,51.69 82.03,51.95 82.03,52.06 82.13,52.16 82.13,52.27 82.3,52.44 82.3,52.58 82.13,52.75 79.57,52.75 79.48,52.84 79.48,52.97 78.92,53.52 78.8,53.52 78.37,53.96 78.37,55.8 78.17,56.01 77.98,56.01 v1(77.89,56.1)
DDR_CH1_DQ5_D: length 36.7
  L3-S1 w0.066: 89.95,43.31 89.69,43.56 v1(89.41,43.56)
  L3-S1 w0.076: v1(73.09,55.7) 72.87,55.48 72.87,55.21 73.06,55.02 73.06,49.22 72.79,48.95 72.79,48.82 72.72,48.74 72.34,48.74 72.26,48.66 72.26,48.5 72.34,48.42 72.72,48.42 72.79,48.35 72.79,47.62 80.71,39.7 89.49,39.7 91.95,42.17 91.95,43.2 91.49,43.66 90.52,43.66 90.17,43.31 89.95,43.31
DDR_CH1_DQ6_C: length 13
  L3-S1 w0.066: v1(83.19,49.22) 83.12,49.15 82.83,49.15 82.6,48.92
  L3-S1 w0.076: v2(78.98,49.91) 79.14,49.91 81.11,47.94 81.49,47.94 82.46,48.92 82.6,48.92 ; v2(77.41,53.85) 77.27,53.99 77.27,56.28 v1(77.49,56.5)
  L8-S3 w0.076: v2(78.98,49.91) 78.48,50.4 78.48,51.04 77.78,51.74 77.78,52.69 77.36,53.11 77.36,53.79 v2(77.41,53.85)
DDR_CH1_DQ6_D: length 34.3
  L3-S1 w0.066: 88.52,42.96 88.76,43.2 88.76,43.29 88.84,43.38 v1(88.84,43.56)
  L3-S1 w0.076: v1(73.49,56.1) 73.57,56.02 73.57,49.21 73.65,49.14 73.84,49.14 73.91,49.06 73.91,48.9 73.84,48.82 73.39,48.82 73.31,48.74 73.31,48.59 73.39,48.51 74.29,48.51 74.37,48.59 74.37,49.13 v2(74.28,49.22) ; 88.52,42.96 88.52,42.86 88.46,42.8 88.35,42.8 88.24,42.92 88.13,42.92 88.02,42.8 88.02,42.69 88.13,42.58 88.13,42.47 87.68,42.02 87.68,41.83 87.1,41.24 85.69,41.24 85.61,41.32 85.61,41.6 85.53,41.68 85.37,41.68 85.29,41.6 85.29,41.32 85.21,41.24 85.06,41.24 84.98,41.32 84.98,41.52 84.9,41.6 84.74,41.6 84.66,41.52 84.66,41.32 84.58,41.24 82.25,41.24 81.84,41.66 81.84,42.33 81.74,42.42 81.5,42.42 81.41,42.33 81.07,42.33 80.98,42.42 80.98,42.53 81.09,42.64 81.09,42.75 81,42.85 80.86,42.85 80.76,42.75 80.65,42.75 80.51,42.89 v2(80.51,43.05)